# Altium PCB ECG_V1.0_ZM_20211208.PcbDoc (part 1 of 2) (continued)
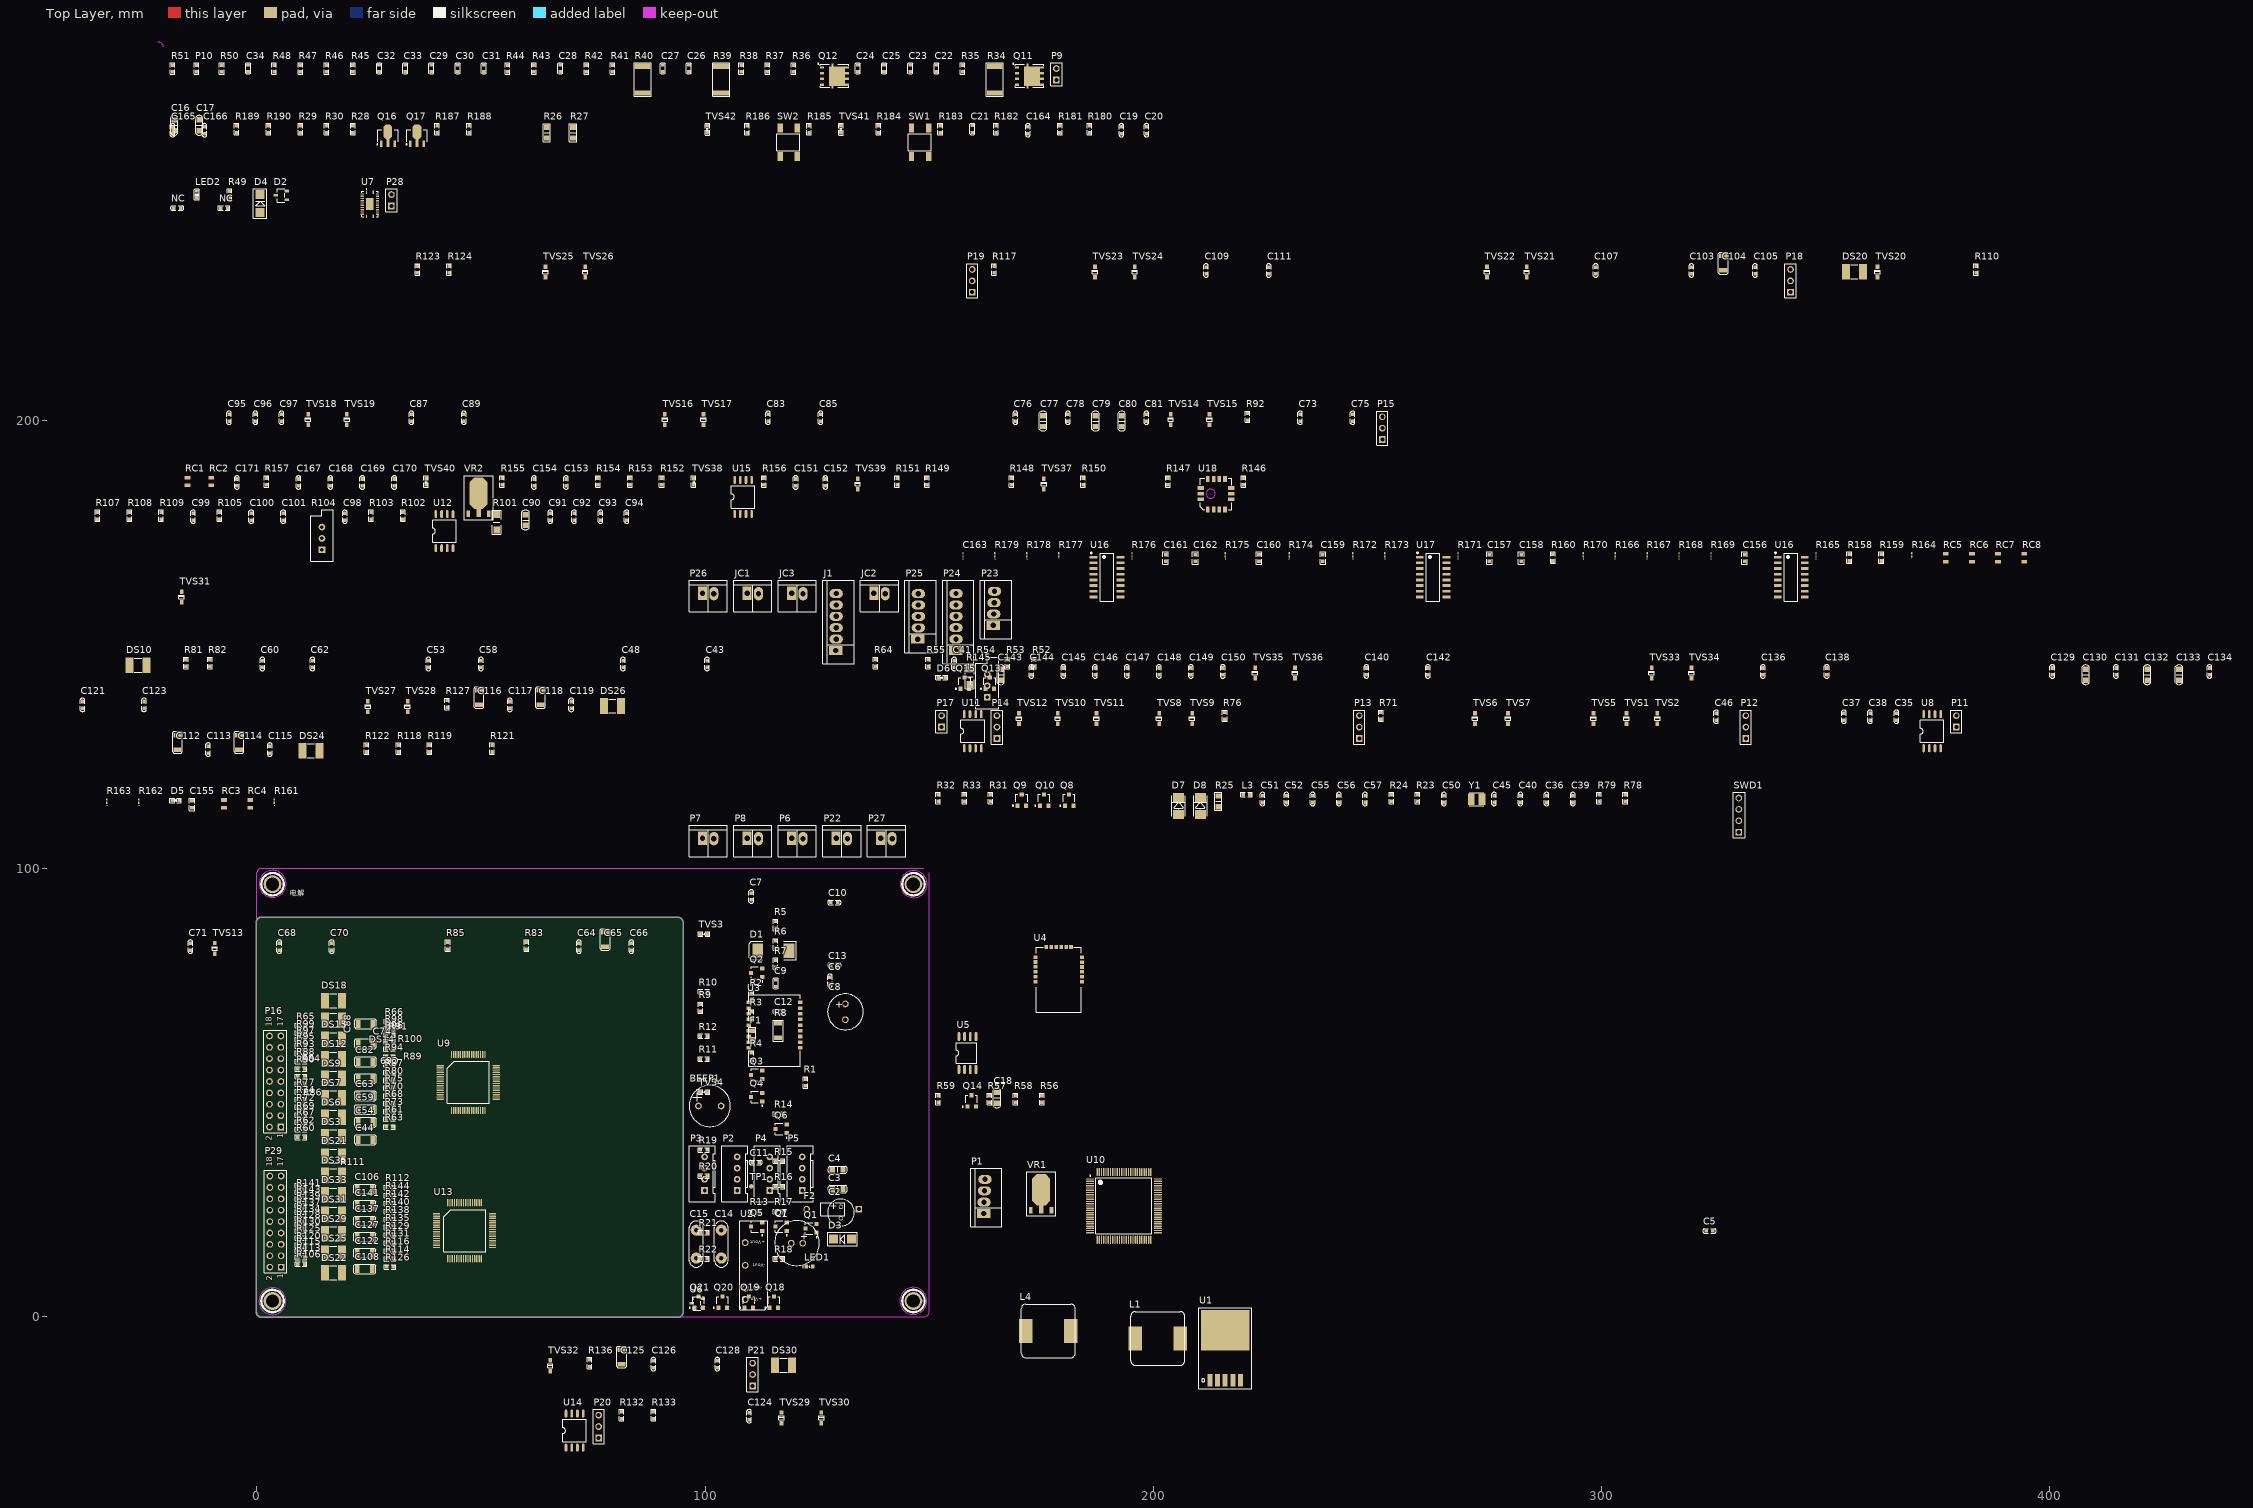
[diagram p0: Top Layer view]
## Components (designator, comment, footprint, x,y, rotation, side; value= is the part's Value field where it differs from the comment) (continued)
DS13 "UN1812-90CSMD" SMD-1812 11.201,57.477 r0 bottom
DS14 "UN1812-90CSMD" SMD-1812 17.064,66.175 r0 top
DS15 "UN1812-90CSMD" SMD-1812 17.064,61.84 r0 top
DS16 "UN1812-90CSMD" SMD-1812 11.201,61.838 r0 bottom
DS17 "UN1812-90CSMD" SMD-1812 11.201,66.2 r0 bottom
DS18 "UN1812-90CSMD" SMD-1812 17.064,70.51 r0 top
DS19 "UN1812-90CSMD" SMD-1812 11.201,7.732 r0 bottom
DS20 "UN1812-90CSMD" SMD-1812 356.438,233.172 r0 top
DS21 "UN1812-90CSMD" SMD-1812 17.064,35.827 r0 top
DS22 "UN1812-90CSMD" SMD-1812 17.064,9.815 r0 top
DS23 "UN1812-90CSMD" SMD-1812 11.201,12.927 r0 bottom
DS24 "UN1812-90CSMD" SMD-1812 12.065,126.263 r0 top
DS25 "UN1812-90CSMD" SMD-1812 17.064,14.15 r0 top
DS26 "UN1812-90CSMD" SMD-1812 79.324,136.246 r0 top
DS27 "UN1812-90CSMD" SMD-1812 11.201,18.121 r0 bottom
DS28 "UN1812-90CSMD" SMD-1812 11.201,23.316 r0 bottom
DS29 "UN1812-90CSMD" SMD-1812 17.064,18.485 r0 top
DS30 "UN1812-90CSMD" SMD-1812 117.5,-10.846 r0 top
DS31 "UN1812-90CSMD" SMD-1812 17.064,22.821 r0 top
DS32 "UN1812-90CSMD" SMD-1812 11.201,28.511 r0 bottom
DS33 "UN1812-90CSMD" SMD-1812 17.064,27.156 r0 top
DS34 "UN1812-90CSMD" SMD-1812 11.201,33.706 r0 bottom
DS35 "UN1812-90CSMD" SMD-1812 17.064,31.492 r0 top
F1 "SMD0805P200" 0805r 110.566,61.849 r90 top
F2 "SMD0805P200" PIN-W2/E2.8 128.499,23.978 r180 top
J1 "signal" 6X2.54MMZ 129.159,148.641 r90 top
JC1 "CON2" 2X2.54MMZ 109.398,161.417 r0 top
JC2 "CON2" 2X2.54MMZ 137.668,161.417 r0 top
JC3 "CON2" 2X2.54MMZ 119.329,161.417 r0 top
L1 "CDRH127-33uH" CDRH-127 201.016,-4.851 r0 top
L3 "MPZ1608D101BTA00" SMD-0603 220.828,116.484 r0 top
L4 "3.3uH" CDRH-127 176.606,-3.175 r0 top
LED1 "蓝光 3528" SMD-0603D 123.342,11.176 r180 top
LED2 "24V" 0603LED -13.411,249.657 r90 top
NC "4.7K" SMD-0603 -7.29,247.345 r0 top
NC "104 50V" SMD-0603C -17.78,247.345 r0 top
P1 "XH2.54-4P直插" 4X2.54MMZ 162.155,23.012 r90 top
P2 "1*4P" XH2.54-4A 107.163,31.902 r90 top
P3 "1*4P" XH2.54-4A 99.898,31.902 r90 top
P4 "1*4P" XH2.54-4A 114.427,31.902 r90 top
P5 "1*4P" XH2.54-4A 121.691,31.902 r90 top
P6 "Header 2" 2X2.54MMZ 119.329,106.756 r0 top
P7 "Header 2" 2X2.54MMZ 99.441,106.756 r0 top
P8 "Header 2" 2X2.54MMZ 109.398,106.756 r0 top
P9 "Header 2" HDR1X2 178.384,275.946 r90 top
P10 "NTC0603-103J4000NT" SMD-0603 -13.437,278.486 r90 top
P11 "NC" HDR1X2 379.171,131.547 r90 top
P12 "NC" HDR1X3 332.207,129.007 r90 top
P13 "NC" HDR1X3 245.974,129.007 r90 top
P14 "NC" HDR1X3 165.125,129.007 r90 top
P15 "NC" HDR1X3 251.104,195.707 r90 top
P16 "Header 9X2" HDR2X9 5.359,42.316 r90 top
P17 "NC" HDR1X2 152.781,131.547 r90 top
P18 "NC" HDR1X3 342.189,228.575 r90 top
P19 "NC" HDR1X3 159.614,228.575 r90 top
P20 "NC" HDR1X3 76.276,-27.051 r90 top
P21 "NC" HDR1X3 110.617,-15.443 r90 top
P22 "VH2.54-2P" 2X2.54MMZ 129.261,106.756 r0 top
P23 "XH2.54-4P直插" 4X2.54MMZ 164.287,154.229 r90 top
P24 "XH2.54 6P 立贴" 6X2.54MMZ 155.905,148.641 r90 top
P25 "XH2.54 5P 立贴" 5X2.54MMZ 147.498,151.155 r90 top
P26 "Header 2" 2X2.54MMZ 99.441,161.417 r0 top
P27 "VH2.54-2P" 2X2.54MMZ 139.192,106.756 r0 top
P28 "Header 2" HDR1X2 30.023,247.828 r90 top
P29 "Header 9X2" HDR2X9 5.436,11.059 r90 top
Q1 "AO3401" SOT-23 123.647,19.685 r90 top
Q2 "AO3401" SOT-23 111.531,76.733 r90 top
Q3 "S8050" SOT-23 111.531,53.975 r90 top
Q4 "AO3401" SOT-23 111.531,48.997 r90 top
Q5 "S8050" SOT-23 111.531,20.117 r90 top
Q6 "AO3401" SOT-23 116.967,41.885 r90 top
Q7 "S8050" SOT-23 116.967,20.117 r90 top
Q8 "S8050" SOT-23 181.229,115.265 r0 top
Q9 "S8050" SOT-23 170.663,115.265 r0 top
Q10 "S8050" SOT-23 175.641,115.265 r0 top
Q11 "Si7998DP" "PowerPAK SO-8" 168.631,279.375 r0 top
Q12 "Si7135DP" "PowerPAK SO-8" 125.12,279.375 r0 top
Q13 "AO3400" SOT-23 163.525,141.351 r0 top
Q14 "LH8050QLT1G" SOT-23 159.461,48.133 r0 top
Q15 "AO3400" SOT-23 157.937,141.351 r0 top
Q16 "D882M" SOT-89-3 29.261,263.5 r0 top
Q17 "D882M" SOT-89-3 35.738,263.5 r0 top
Q18 "mmbta63l" SOT-23 115.367,3.251 r0 top
Q19 "mmbta63l" SOT-23 109.779,3.251 r0 top
Q20 "mmbta13L" SOT-23 103.937,3.251 r0 top
Q21 "mmbta13L" SOT-23 98.577,3.251 r0 top
R1 "1K" SMD-0603 122.428,52.273 r90 top
R2 "47K" SMD-0603 110.312,71.577 r90 top
R3 "1K" SMD-0603 110.312,67.259 r90 top
R4 "1K" SMD-0603 110.312,58.115 r90 top
R5 "10K" SMD-0603 115.748,87.427 r90 top
R6 "47K" SMD-0603 115.748,83.083 r90 top
R7 "1K" SMD-0603 115.748,78.765 r90 top
R8 "10M 5%" 1206r 116.307,62.205 r90 top
R9 "10R" SMD-0603 98.958,68.936 r90 top
R10 "100R" SMD-0603 99.72,72.517 r180 top
R11 "10R" SMD-0603 99.72,57.48 r180 top
R12 "100R" SMD-0603 99.72,62.586 r180 top
R13 "1K" SMD-0603 111.074,23.495 r180 top
R14 "10K" SMD-0603 116.51,45.263 r180 top
R15 "47K" SMD-0603 116.51,34.696 r180 top
R16 "1K" SMD-0603 116.51,29.083 r180 top
R17 "1K" SMD-0603 116.51,23.495 r180 top
R18 "10K" SMD-0603 116.51,12.929 r180 top
R19 "10R" SMD-0603 99.72,37.236 r180 top
R20 "10R" SMD-0603 99.72,31.394 r180 top
R21 "10R" SMD-0603 99.72,18.771 r180 top
R22 "10R" SMD-0603 99.72,12.929 r180 top
R23 "1K/0.1%" SMD-0603 258.978,115.722 r90 top
R24 "1K/0.1%" SMD-0603 253.136,115.722 r90 top
R25 "100R" SMD-0805 214.528,114.96 r90 top
R26 "100R" SMD-0805 64.719,264.185 r90 top
R27 "100R" SMD-0805 70.561,264.185 r90 top
R28 "1K" SMD-0603 21.412,264.947 r90 top
R29 "1K" SMD-0603 9.703,264.947 r90 top
R30 "1K" SMD-0603 15.57,264.947 r90 top
R31 "47K" SMD-0603 163.728,115.722 r90 top
R32 "47K" SMD-0603 152.019,115.722 r90 top
R33 "47K" SMD-0603 157.861,115.722 r90 top
R34 "10mR" 2512R 164.668,273.025 r90 top
R35 "2" SMD-0603 157.455,278.486 r90 top
R36 "4.02K" SMD-0603 119.761,278.486 r90 top
R37 "4.02K" SMD-0603 113.919,278.486 r90 top
R38 "100K" SMD-0603 108.077,278.486 r90 top
R39 "1K" 2512R 103.581,273.025 r90 top
R40 "10mR" 2512R 86.055,273.025 r90 top
R41 "22.1K" SMD-0603 79.35,278.486 r90 top
R42 "232K" SMD-0603 73.508,278.486 r90 top
R43 "1M" SMD-0603 61.824,278.486 r90 top
R44 "32.4K" SMD-0603 55.956,278.486 r90 top
R45 "10" SMD-0603 21.412,278.486 r90 top
R46 "100K" SMD-0603 15.57,278.486 r90 top
R47 "2.2K" SMD-0603 9.703,278.486 r90 top
R48 "299K/1%" SMD-0603 3.861,278.486 r90 top
R49 "1.5K" SMD-0603 -6.071,250.368 r90 top
R50 "6.8K" SMD-0603 -7.823,278.486 r90 top
R51 "60K/1%" SMD-0603 -18.771,278.486 r90 top
R52 "NC" SMD-0603 173.355,145.847 r90 top
R53 "NC" SMD-0603 167.513,145.847 r90 top
R54 "NC" VR-05 162.992,140.767 r90 top
R55 "1M" SMD-0603 149.758,145.847 r90 top
R56 "51R" SMD-0603 175.158,48.59 r90 top
R57 "4.7K" SMD-0603 163.449,48.59 r90 top
R58 "1K" SMD-0603 169.316,48.59 r90 top
R59 "47K" SMD-0603 152.019,48.59 r90 top
R60 "300K" SMD-0603 9.888,40.03 r0 top
R61 "22.1K" SMD-0603 29.616,44.077 r0 top
R62 "300K" SMD-0603 9.888,41.724 r0 top
R63 "22.1K" SMD-0603 29.616,42.342 r0 top
R64 "100K" SMD-0603 138.049,145.847 r90 top
R65 "300K" SMD-0603 9.888,64.922 r0 top
R66 "22.1K" SMD-0603 29.693,65.862 r0 top
R67 "300K" SMD-0603 9.888,43.417 r0 top
R68 "22.1K" SMD-0603 29.616,47.549 r0 top
R69 "300K" SMD-0603 9.888,44.958 r0 top
R70 "22.1K" SMD-0603 29.616,49.284 r0 top
R71 "NC" SMD-0603 250.8,134.087 r90 top
R72 "300K" SMD-0603 9.888,46.736 r0 top
R73 "22.1K" SMD-0603 29.616,45.813 r0 top
R74 "300K" SMD-0603 9.888,48.497 r0 top
R75 "22.1K" SMD-0603 29.616,51.02 r0 top
R76 "NC" SMD-0603 215.951,134.087 r90 top
R77 "300K" SMD-0603 9.888,50.19 r0 top
R78 "10K" SMD-0603 305.308,115.722 r90 top
R79 "100K" SMD-0603 299.466,115.722 r90 top
R80 "22.1K" SMD-0603 29.616,52.756 r0 top
R81 "300K" SMD-0603 -15.824,145.847 r90 top
R82 "22.1K" SMD-0603 -10.465,145.847 r90 top
R83 "10K" SMD-0603 60.147,82.779 r90 top
R84 "300K" SMD-0603 9.888,53.577 r0 top
R85 "22.1K" SMD-0603 42.596,82.779 r90 top
R86 "300K" SMD-0603 9.888,51.884 r0 top
R87 "22.1K" SMD-0603 29.616,54.491 r0 top
R88 "300K" SMD-0603 9.888,56.964 r0 top
R89 "22.1K" SMD-0603 29.616,56.227 r0 top
R90 "300K" SMD-0603 9.888,55.27 r0 top
R91 "22.1K" SMD-0603 29.616,59.698 r0 top
R92 "NC" SMD-0603 221.082,200.787 r90 top
R93 "300K" SMD-0603 9.888,58.776 r0 top
R94 "22.1K" SMD-0603 29.616,57.963 r0 top
R95 "300K" SMD-0603 9.888,60.452 r0 top
R96 "22.1K" SMD-0603 29.642,62.865 r0 top
R97 "300K" SMD-0603 9.888,61.798 r0 top
R98 "22.1K" SMD-0603 29.667,64.338 r0 top
R99 "300K" SMD-0603 9.888,63.246 r0 top
R100 "22.1K" SMD-0603 29.616,61.434 r0 top
R101 "0/NC" SMD-1206 53.518,177.267 r90 top
R102 "NC" SMD-0603 32.588,178.714 r90 top
R103 "NC" SMD-0603 25.476,178.714 r90 top
R104 "NC" VR-05 14.529,173.634 r90 top
R105 "1M" SMD-0603 -8.357,178.714 r90 top
R106 "300K" SMD-0603 9.888,11.745 r0 top
R107 "22.1K" SMD-0603 -35.56,178.714 r90 top
R108 "300K" SMD-0603 -28.448,178.714 r90 top
R109 "22.1K" SMD-0603 -21.336,178.714 r90 top
R110 "100K" SMD-0603 383.616,233.655 r90 top
R111 "300K" SMD-0603 9.888,29.296 r0 top
R112 "22.1K" SMD-0603 29.718,28.814 r0 top
R113 "300K" SMD-0603 9.888,13.218 r0 top
R114 "22.1K" SMD-0603 29.718,12.88 r0 top
R115 "300K" SMD-0603 9.888,14.666 r0 top
R116 "22.1K" SMD-0603 29.718,14.651 r0 top
R117 "NC" SMD-0603 164.465,233.655 r90 top
R118 "300K" SMD-0603 31.623,126.746 r90 top
R119 "22.1K" SMD-0603 38.481,126.746 r90 top
R120 "300K" SMD-0603 9.888,15.936 r0 top
R121 "22.1K" SMD-0603 52.476,126.746 r90 top
R122 "NC" SMD-0603 24.486,126.746 r90 top
R123 "300K" SMD-0603 35.814,233.655 r90 top
R124 "22.1K" SMD-0603 42.926,233.655 r90 top
R125 "300K" SMD-0603 9.888,17.562 r0 top
R126 "22.1K" SMD-0603 29.718,11.11 r0 top
R127 "10K" SMD-0603 42.443,136.728 r90 top
R128 "300K" SMD-0603 9.888,20.559 r0 top
R129 "22.1K" SMD-0603 29.718,18.191 r0 top
R130 "300K" SMD-0603 9.888,19.111 r0 top
R131 "22.1K" SMD-0603 29.718,16.421 r0 top
R132 "300K" SMD-0603 81.356,-21.971 r90 top
R133 "22.1K" SMD-0603 88.494,-21.971 r90 top
R134 "300K" SMD-0603 9.888,21.93 r0 top
R135 "22.1K" SMD-0603 29.718,19.962 r0 top
R136 "NC" SMD-0603 74.244,-10.363 r90 top
R137 "300K" SMD-0603 9.888,23.378 r0 top
R138 "22.1K" SMD-0603 29.718,21.732 r0 top
R139 "300K" SMD-0603 9.888,24.826 r0 top
R140 "22.1K" SMD-0603 29.718,23.503 r0 top
R141 "300K" SMD-0603 9.888,27.772 r0 top
R142 "22.1K" SMD-0603 29.718,25.273 r0 top
R143 "300K" SMD-0603 9.888,26.299 r0 top
R144 "22.1K" SMD-0603 29.718,27.043 r0 top
R145 "0/NC" SMD-1206 159.08,142.748 r90 top
R146 "10K" SMD-0603 220.091,186.36 r90 top
R147 "20R" SMD-0603 203.276,186.36 r90 top
R148 "20R" SMD-0603 168.377,186.36 r90 top
R149 "10K" SMD-0603 149.479,186.36 r90 top
R150 "10K" SMD-0603 184.379,186.36 r90 top
R151 "399K" SMD-0603 142.875,186.36 r90 top
R152 "100K" SMD-0603 90.348,186.36 r90 top
R153 "100K" SMD-0603 83.236,186.36 r90 top
R154 "100K" SMD-0603 76.098,186.36 r90 top
R155 "399K" SMD-0603 54.737,186.36 r90 top
R156 "10K" SMD-0603 113.132,186.36 r90 top
R157 "10K" SMD-0603 2.159,186.36 r90 top
R158 "300K/0.1%" SMD-0603 355.295,169.367 r90 top
R159 "300K/0.1%" SMD-0603 362.433,169.367 r90 top
R160 "300K/0.1%" SMD-0603 289.154,169.367 r90 top
R161 "0R" 0603 3.912,115.037 r90 top
R162 "0R" 0603 -26.314,115.037 r90 top
R163 "1K" 0603 -33.452,115.037 r90 top
R164 "1K" 0603 369.24,169.977 r90 top
R165 "220K" 0603 347.878,169.977 r90 top
R166 "10K" 0603 303.073,169.977 r90 top
R167 "100K" 0603 310.185,169.977 r90 top
R168 "10K" 0603 317.322,169.977 r90 top
R169 "10K" 0603 324.434,169.977 r90 top
R170 "10K" 0603 295.961,169.977 r90 top
R171 "100K" 0603 267.995,169.977 r90 top
R172 "10K" 0603 244.551,169.977 r90 top
R173 "5K1" 0603 251.663,169.977 r90 top
R174 "5K1" 0603 230.327,169.977 r90 top
R175 "1K" 0603 216.078,169.977 r90 top
R176 "5K1" 0603 195.25,169.977 r90 top
R177 "220K" 0603 178.918,169.977 r90 top
R178 "10K" 0603 171.806,169.977 r90 top
R179 "100K" 0603 164.668,169.977 r90 top
R180 "100K/1%" SMD-0603 185.776,264.947 r90 top
R181 "60K/1%" SMD-0603 179.172,264.947 r90 top
R182 "30K/1%" SMD-0603 164.922,264.947 r90 top
R183 "1K" SMD-0603 152.476,264.947 r90 top
R184 "1K" SMD-0603 138.684,264.947 r90 top
R185 "1K" SMD-0603 123.19,264.947 r90 top
R186 "1K" SMD-0603 109.398,264.947 r90 top
R187 "100R" SMD-0603 40.208,264.947 r90 top
R188 "100R" SMD-0603 47.346,264.947 r90 top
R189 "10K" SMD-0603 -4.521,264.947 r90 top
R190 "10K" SMD-0603 2.591,264.947 r90 top
RC1 "1K" 0805 -15.494,185.369 r90 top
RC2 "1K" 0805 -10.16,185.369 r90 top
RC3 "1K" 0805 -7.315,113.436 r90 top
RC4 "1K" 0805 -1.473,113.436 r90 top
RC5 "1K" 0805 376.809,168.377 r90 top
RC6 "220" 0805 382.651,168.377 r90 top
RC7 "220" 0805 388.493,168.377 r90 top
RC8 "1K" 0805 394.335,168.377 r90 top
SW1 "SW-BP" KEY_4X4 147.98,262.052 r90 top
SW2 "SW-BP" KEY_4X4 118.694,262.052 r90 top
SWD1 "SIP-4 (NC)" SIP-4 330.657,111.912 r90 top
TP1 "TPS" tpd 110.312,29.083 r180 top
TVS1 "PSD05C-LF-T7" SOD-323 305.613,133.502 r90 top
TVS2 "PSD05C-LF-T7" SOD-323 312.471,133.502 r90 top
TVS3 "ESD5Z5.0CT1G" SOD-523 99.746,85.369 r180 top
TVS4 "ESD5Z5.0CT1G" SOD-523 99.746,50.114 r180 top
TVS5 "PSD05C-LF-T7" SOD-323 298.247,133.502 r90 top
TVS6 "PSD05C-LF-T7" SOD-323 271.805,133.502 r90 top
TVS7 "PSD05C-LF-T7" SOD-323 279.171,133.502 r90 top
TVS8 "PSD05C-LF-T7" SOD-323 201.32,133.502 r90 top
TVS9 "PSD05C-LF-T7" SOD-323 208.686,133.502 r90 top
TVS10 "PSD05C-LF-T7" SOD-323 178.689,133.502 r90 top
TVS11 "PSD05C-LF-T7" SOD-323 187.325,133.502 r90 top
TVS12 "PSD05C-LF-T7" SOD-323 170.053,133.502 r90 top
TVS13 "PSD05C-LF-T7" SOD-323 -9.398,82.194 r90 top
TVS14 "PSD05C-LF-T7" SOD-323 203.911,200.203 r90 top
TVS15 "PSD05C-LF-T7" SOD-323 212.547,200.203 r90 top
TVS16 "PSD05C-LF-T7" SOD-323 91.034,200.203 r90 top
TVS17 "PSD05C-LF-T7" SOD-323 99.67,200.203 r90 top
TVS18 "PSD05C-LF-T7" SOD-323 11.455,200.203 r90 top
TVS19 "PSD05C-LF-T7" SOD-323 20.091,200.203 r90 top
TVS20 "PSD05C-LF-T7" SOD-323 361.594,233.07 r90 top
TVS21 "PSD05C-LF-T7" SOD-323 283.337,233.07 r90 top
TVS22 "PSD05C-LF-T7" SOD-323 274.447,233.07 r90 top
TVS23 "PSD05C-LF-T7" SOD-323 186.995,233.07 r90 top
TVS24 "PSD05C-LF-T7" SOD-323 195.885,233.07 r90 top
TVS25 "PSD05C-LF-T7" SOD-323 64.389,233.07 r90 top
TVS26 "PSD05C-LF-T7" SOD-323 73.279,233.07 r90 top
TVS27 "PSD05C-LF-T7" SOD-323 24.765,136.144 r90 top
TVS28 "PSD05C-LF-T7" SOD-323 33.655,136.144 r90 top
TVS29 "PSD05C-LF-T7" SOD-323 117.069,-22.555 r90 top
TVS30 "PSD05C-LF-T7" SOD-323 125.959,-22.555 r90 top
TVS31 "PSD05C-LF-T7" SOD-323 -16.764,160.604 r90 top
TVS32 "PSD05C-LF-T7" SOD-323 65.456,-10.947 r90 top
TVS33 "PSD05C-LF-T7" SOD-323 311.201,143.612 r90 top
TVS34 "PSD05C-LF-T7" SOD-323 320.091,143.612 r90 top
TVS35 "PSD05C-LF-T7" SOD-323 222.733,143.612 r90 top
TVS36 "PSD05C-LF-T7" SOD-323 231.623,143.612 r90 top
TVS37 "TVS-S" SOD-323 175.59,185.776 r90 top
TVS38 "ESD5Z5.0CT1G" SOD-523 97.46,186.334 r90 top
TVS39 "TVS-S" SOD-323 134.061,185.776 r90 top
TVS40 "ESD5Z5.0CT1G" SOD-523 37.77,186.334 r90 top
TVS41 "ESD5Z5.0CT1G" SOD-523 130.302,264.922 r90 top
TVS42 "ESD5Z5.0CT1G" SOD-523 100.508,264.922 r90 top
U1 "LM2596S 5.0V" TO-263-5 216.052,-14.197 r0 top
U2 "B0505LS-1W" HKSXXXXB-1W 108.966,3.835 r90 top
U3 "E104-BT5032A" E104-BT503 121.285,55.829 r0 top
U4 "E104-BT52" E104-BT52 184.099,74.725 r0 top
U5 "W25Q128FVSIG" SO-8W 156.642,55.143 r90 top
U6 "REF3033AIDBZR" SOT23-3 99.492,1.981 r0 top
U7 "bq24171" bq24171 25.222,248.234 r0 top
U8 "OPA2376AID/NC" SOIC-8 373.786,130.632 r90 top
U9 "ADS1299IPAG" LQFP-64 40.922,56.025 r0 top
U10 "GD32F405VGTx" STM-LQFP100_N 193.472,24.714 r0 top
U11 "OPA2376AID/NC" SOIC-8 159.741,130.632 r90 top
U12 "OPA2376AID/NC" SOIC-8 41.859,175.26 r90 top
U13 "ADS1299IPAG" LQFP-64 40.107,22.94 r0 top
U14 "OPA2376AID/NC" SOIC-8 70.891,-25.425 r90 top
U15 "OPA2376AID" SOIC-8 108.509,182.905 r90 top
U16 "LM2902DR" SO-14Z 186.69,169.469 r0 top
U16 "LM2902DR" SO-14Z 339.319,169.469 r0 top
U17 "LM2902DR" SO-14Z 259.436,169.469 r0 top
U18 "MMR901XA" MMR901XA 214.3,183.617 r0 top
VR1 "LM1117 3.3V" SOT223 172.706,23.776 r0 top
VR2 "LM1117 3.3V" SOT223 47.168,179.121 r0 top
Y1 "8MHz" XTAL-3225-2 272.136,115.443 r0 top

## Footprints (in the part's own frame and the unit in brackets; to place one, negate y for a bottom-side part, rotate by r counter-clockwise, add the part's x,y. Pads: shape width x height; smd on the part's side, far side on the other; paste and mask are expansions set on the pad)
2X2.54MMZ [mm]
  rect 2x3 hole 1.2: 1(0,0)
  oval 2x3 hole 1.2: 2(2.54,-0.1)
  silkscreen extent -3,-4.1 5.54,2.9
4X2.54MMZ [mm]
  rect 2x3 hole 1.2: 1(0,0)
  oval 2x3 hole 1.2: 2(2.54,-0.1) 3(5.08,-0.2) 4(7.62,-0.3)
  silkscreen extent -3,-4.1 10.08,2.9
5X2.54MMZ [mm]
  rect 2x3 hole 1.2: 1(0,0)
  oval 2x3 hole 1.2: 2(2.54,-0.1) 3(5.08,-0.1) 4(7.62,-0.1) 5(10.16,-0.1)
  silkscreen extent -3,-4.1 13.16,2.9
6*8 [mm]
  round 1 hole 0.6: 1(1.27,0) 2(-1.27,0)
  silkscreen extent -3,-3 3,3
6X2.54MMZ [mm]
  rect 2x3 hole 1.2: 1(0,0)
  oval 2x3 hole 1.2: 2(2.54,-0.1) 3(5.08,-0.1) 4(7.62,-0.1) 5(10.16,-0.1) 6(12.7,-0.1)
  silkscreen extent -3,-4.1 15.68,2.9
8*12 [mm]
  round 1.5 hole 1: 1(1.75,0) 2(-1.75,0)
  silkscreen extent -4,-4 4,4
10*16 [mm]
  round 1.5 hole 1: 1(1.27,0) 2(-1.27,0)
  silkscreen extent -5,-5 5,5
0603 [mm] "Chip Inductor, Body 0.6x0.3mm, IPC High Density"
  rect 0.5x0.3 smd: 1(-0.35,0) 2(0.35,0)
  silkscreen extent -0.9,-0.05 -0.9,0.05, body extent -0.33,-0.18 0.33,0.18, height 0.55
0603C [mm]
  rect 0.7x0.85 smd: 1(0,0) 2(1.5,0)
  silkscreen extent -0.5,-0.55 2,0.55
0603LED [mm]
  rect 0.7x0.85 smd: 1(0,0) 2(1.5,0)
  silkscreen extent -0.5,-0.55 2,0.55
0805 [mm]
  rect 0.8x1.3 smd: 1(0.1,0) 2(1.85,0)
  body extent -0.1,-0.65 2.05,0.65, height 1.15
0805r [mm]
  rect 1x1.3 smd: 1(0,0) 2(2,0)
  silkscreen extent -0.7,-0.8 2.7,0.8
1206c [mm]
  rect 1x1.8 smd: 1(0,0) 2(3.25,0)
  silkscreen extent -0.8,-1.1 4.05,1.1
1206r [mm]
  rect 1x1.8 smd: 1(0,0) 2(3.25,0)
  silkscreen extent -0.7,-1.1 3.95,1.1
2512R [mm]
  rect 1.2x3.5 smd: 1(0,0) 2(6,0)
  silkscreen extent -0.75,-1.9 6.75,1.9
BEEP-9.5X5.5 [mm]
  round 1.5 hole 0.9: 1(-2.54,0) 2(2.54,0)
  silkscreen extent -4.6,-4.6 4.6,4.6
bq24171 [mm]
  rect 0.28x0.75 smd: 1(-0.75,2.678) 12(-0.75,-2.729) 13(0.75,-2.729) 24(0.75,2.678)
  rect 0.75x0.28 smd: 2(-1.702,2.25) 3(-1.704,1.75) 4(-1.704,1.25) 5(-1.704,0.75) 6(-1.704,0.25) 7(-1.704,-0.25) 8(-1.704,-0.75) 9(-1.704,-1.25) 10(-1.704,-1.75) 11(-1.704,-2.25) 14(1.704,-2.25) 15(1.704,-1.75) 15(1.704,-1.25) 16(1.704,-1.25) 17(1.704,-0.75) 18(1.704,-0.25) 19(1.704,0.25) 20(1.704,0.75) 21(1.704,1.25) 22(1.704,1.75) 23(1.704,2.25)
  rect 1.7x2.7 smd: 25(0,0)
  silkscreen extent -1.83,-2.82 1.83,3.38
C0603 [mil]
  rect 30x32 smd mask+2.5: 1(-30,0) 2(30,0)
  silkscreen extent -55,-25 55,25
CDRH-127 [mm]
  rect 3x5.4 smd: 1(-5,0) 2(5,0)
  silkscreen extent -6,-6 6,6, body extent -6,-6 6,6, height 8.2
CY1 [mm]
  round 2.5 hole 1: 1(0,0) 2(6.223,0)
  silkscreen extent -2.03,-1.52 8.25,1.52
DO-214-AC [mm]
  rect 2x2.5 smd: 1(-1.915,0) 2(1.915,0)
  silkscreen extent -2.3,-1.52 2.3,1.5, body extent -2.3,-1.35 2.3,1.35, height 2.4
E104-BT52 [mm]
  rect 0.9x0.8 smd: 1(0,0) 2(0,1.1) 3(0,2.2) 4(0,3.3) 5(0,4.4) 6(0,5.5) 13(-10.414,5.512) 14(-10.414,4.412) 15(-10.414,3.312) 16(-10.414,2.212) 17(-10.414,1.112) 18(-10.414,0.012)
  rect 0.8x0.9 smd: 7(-2.438,7.747) 8(-3.538,7.747) 9(-4.638,7.747) 10(-5.738,7.747) 11(-6.838,7.747) 12(-7.938,7.747)
  silkscreen extent -10.19,-6.75 -0.19,7.75
E104-BT503 [mm]
  rect 1x0.8 smd: 1(0,4.14) 2(0,5.41) 3(0,6.68) 4(0,7.95) 5(0,9.22) 6(0,10.49) 7(0,11.76) 8(0,13.03) 9(0,14.3) 16(-11.5,14.3) 17(-11.5,13.03) 18(-11.5,11.76) 19(-11.5,10.49) 20(-11.5,9.22) 21(-11.5,7.95) 22(-11.5,6.68) 23(-11.5,5.41) 24(-11.5,4.14)
  silkscreen extent -11.5,0 0.01,16
HDR1X2 [mm] "Connector; Header; 2 Position"
  rect 1.5x1.5 hole 0.9: 1(0,0)
  round 1.5 hole 0.9: 2(2.54,0)
  silkscreen extent -1.27,-1.27 3.81,1.27
HDR1X3 [mm] "Connector; Header; 3 Position"
  rect 1.5x1.5 hole 0.9: 1(0,0)
  round 1.5 hole 0.9: 2(2.54,0) 3(5.08,0)
  silkscreen extent -1.27,-1.27 6.35,1.27
HDR2X9 [mm] "Connector; Header; 9x2 Position"
  rect 1.5x1.5 hole 0.9: 1(0,0)
  round 1.5 hole 0.9: 2(0,2.54) 3(2.54,0) 4(2.54,2.54) 5(5.08,0) 6(5.08,2.54) 7(7.62,0) 8(7.62,2.54) 9(10.16,0) 10(10.16,2.54) 11(12.7,0) 12(12.7,2.54) 13(15.24,0) 14(15.24,2.54) 15(17.78,0) 16(17.78,2.54) 17(20.32,0) 18(20.32,2.54)
  silkscreen extent -1.27,-1.27 21.59,3.81
HKSXXXXB-1W [mil]
  round 60 hole 40: 1(0,0) 2(100,0) 4(300,0) 6(500,0)
  silkscreen extent -90,-200 690,50
KEY_4X4 [mm] "KEY_3X6"
  rect 2x1.2 smd: 1(-3.15,1.9) 1(3.15,1.9) 2(-3.15,-1.9) 2(3.15,-1.9)
  silkscreen extent -1.88,-2.46 1.93,2.64
LED0603 [mil]
  rect 31.5x30 smd: 1(-30,0) 2(30,0)
  silkscreen extent -51,-20 51,20, body extent -31,-16 32,16, height 24
LQFP-64 [mm]
  rect 1.6x0.3 smd: 1(0,0)
  oval 1.6x0.3 smd: 2(0,-0.5) 3(0,-1) 4(0,-1.5) 5(0,-2) 6(0,-2.5) 7(0,-3) 8(0,-3.5) 9(0,-4) 10(0,-4.5) 11(0,-5) 12(0,-5.5) 13(0,-6) 14(0,-6.5) 15(0,-7) 16(0,-7.5) 33(12.5,-7.5) 34(12.5,-7) 35(12.5,-6.5) 36(12.5,-6) 37(12.5,-5.5) 38(12.5,-5) 39(12.5,-4.5) 40(12.5,-4) 41(12.5,-3.5) 42(12.5,-3) 43(12.5,-2.5) 44(12.5,-2) 45(12.5,-1.5) 46(12.5,-1) 47(12.5,-0.5) 48(12.5,0)
  oval 0.3x1.6 smd: 17(2.5,-10) 18(3,-10) 19(3.5,-10) 20(4,-10) 21(4.5,-10) 22(5,-10) 23(5.5,-10) 24(6,-10) 25(6.5,-10) 26(7,-10) 27(7.5,-10) 28(8,-10) 29(8.5,-10) 30(9,-10) 31(9.5,-10) 32(10,-10) 49(10,2.5) 50(9.5,2.5) 51(9,2.5) 52(8.5,2.5) 53(8,2.5) 54(7.5,2.5) 55(7,2.5) 56(6.5,2.5) 57(6,2.5) 58(5.5,2.5) 59(5,2.5) 60(4.5,2.5) 61(4,2.5) 62(3.5,2.5) 63(3,2.5) 64(2.5,2.5)
  silkscreen extent 1.59,-8.41 10.91,0.91
MMR901XA [mm]
  rect 0.8x1.4 smd: 1(-2.105,-3.5) 2(-0.835,-3.5) 3(0.435,-3.5) 4(1.705,-3.5) 8(1.705,3.3) 9(0.435,3.3) 10(-0.835,3.3) 11(-2.105,3.3)
  rect 1.4x0.8 smd: 5(3.1,-1.27) 6(3.1,0) 7(3.1,1.27) 12(-3.7,1.27) 13(-3.7,0) 14(-3.7,-1.27)
  Keep-Out Layer circle w0.1: c-1.5,0 r1
  silkscreen extent -3.81,-3.56 3.17,3.43
PIN-W2/E2.8 [mm] "Thru-Hole; 2 Leads"
  rect 1.5x1.5 hole 0.9: 1(-5.825,0)
  round 1.5 hole 0.9: 2(5.825,0)
  silkscreen extent -2.65,-1.4 2.65,1.4
"PowerPAK SO-8" [mm]
  rect 0.9x0.54 smd: 1(0.95,-0.67) 2(0.95,-1.94) 3(0.95,-3.21) 4(0.95,-4.48) 5(6.548,-4.48) 6(6.548,-3.21) 7(6.548,-1.94) 8(6.548,-0.67)
  rect 0.5x1.6 smd: 5(3.3,-4.575) 8(3.3,-0.575)
  rect 3.66x2.5 smd: 5(4.325,-3.495)
  rect 3.66x2 smd: 8(4.325,-1.401)
  silkscreen extent 0.03,-5.12 6.93,0.33
SIP-4 [mm]
  rect 1.5x1.5 hole 1: 1(-3.81,0)
  round 1.5 hole 1: 2(-1.27,0) 3(1.27,0) 4(3.81,0)
  silkscreen extent -5.08,-1.27 5.08,1.27
SMA [mm]
  rect 2x2 smd: 1(0,0) 2(4,0)
  silkscreen extent -1.3,-1.5 5.3,1.5
SMC [mm] "DO-214-AB/SMC; 2 C-Bend Leads; Body 7.9 x 5.9 mm, inc. leads (LxW)"
  rect 2.4x3.3 smd: 1(-3.475,0) 2(3.475,0)
  silkscreen extent -5.07,-2.05 5.43,2.05
SMD-0603 [mil]
  rect 31.5x30 smd: 1(-30,0) 2(30,0)
  silkscreen extent -50,-20 50,20, body extent -31,-16 32,16, height 18
SMD-0603C [mil]
  rect 31.5x30 smd: 1(-30,0) 2(30,0)
  silkscreen extent -59,-20 59,20, body extent -32,-16 32,16, height 31
SMD-0603D [mm]
  rect 0.8x0.9 smd: 1(-0.7,-0.012) 2(0.73,-0.012)
  silkscreen extent -0.08,-0.41 1.4,0.39, body extent -0.8,-0.39 0.8,0.41, height 0.6
SMD-0805 [mm]
  rect 1.2x1.27 smd: 1(-1.2,0) 2(1.2,0)
  silkscreen extent -2,-0.8 2,0.8, body extent -1,-0.63 1,0.63, height 0.55
SMD-0805C [mm]
  rect 1.2x1.27 smd: 1(-1.2,0) 2(1.2,0)
  silkscreen extent -2.2,-0.8 2.2,0.8, body extent -1.42,-0.67 1.58,0.73, height 0.93
SMD-1206 [mil]
  rect 60x60 smd: 1(-68,0) 2(67,0)
  silkscreen extent -106,-38 106,39, body extent -63,-31 63,32, height 24
SMD-1812 [mm]
  rect 1.8x3.5 smd: 1(-1.9,0) 2(1.9,0)
  silkscreen extent -0.8,-1.55 0.8,1.55, body extent -2.4,-1.7 2.4,1.7, height 1.4
SO-8W [mil]
  oval 80x24 smd: 1(0,0) 2(0,-50) 3(0,-100) 4(0,-150) 5(290,-150) 6(290,-100) 7(290,-50) 8(290,0)
  silkscreen extent 55,-155 235,25
SO-14Z [mil]
  rect 68x24 smd: 1(0,0) 2(0,-50) 3(0,-100) 4(0,-150) 5(0,-200) 6(0,-250) 7(0,-300) 8(0,-350) 9(237.11,-350) 10(237.11,-300) 11(237.11,-250) 12(237.11,-200) 13(237.11,-150) 14(237.11,-100) 15(237.11,-50) 16(237.11,0)
  silkscreen extent -19,-387 178,38
SOD-323 [mm]
  rect 1x0.83 smd: 1(-1.18,0) 2(1.18,0)
  silkscreen extent -0.4,-0.6 0.4,0.6, body extent -1.4,-0.68 1.4,0.67, height 0.75
SOD-523 [mil]
  rect 31.5x30 smd: 1(-30,0) 2(30,0)
  silkscreen extent -51,-20 51,20, body extent -31,-16 32,16, height 26
SOIC-8 [mm]
  oval 1.8x0.6 smd: 1(-3.8,1.905) 2(-3.8,0.635) 3(-3.8,-0.635) 4(-3.8,-1.905) 5(3.8,-1.905) 6(3.8,-0.635) 7(3.8,0.635) 8(3.8,1.905)
  silkscreen extent -2.5,-2.64 2.5,2.64, body extent -4.2,-2.69 4.2,2.69, height 2.3
SOT23-3 [mm]
  rect 1x0.6 smd: 1(0,0) 2(0,2) 3(-2.5,1)
  silkscreen extent -2.1,-0.5 -0.5,2.5
SOT223 [mm]
  rect 0.8x1.4 smd: 1(0,0) 3(4.6,0)
  rect 1x1.854 smd: 2(2.3,0.227)
  oct 4x7 smd: 4(2.286,4.572)
  silkscreen extent -1.02,-1.3 5.59,8.51
SOT-23 [mm] "SOT-23; 3 Leads; Body 3.0 x 2.6 mm, inc. leads (LxW max)"
  rect 0.9x0.95 smd: 1(-0.95,-1.25) 2(0.95,-1.25) 3(0,1.25)
  silkscreen extent -2.07,-1.38 1.3,1.25
SOT-89-3 [mm]
  rect 0.6x1.4 smd: 1(-1.5,-1.8) 3(1.5,-1.8)
  rect 0.6x2 smd: 2(0,-1.524)
  oct 1.9x3.2 smd: 2(0,0.9)
  silkscreen extent -2.47,-2.07 2.3,1.3, body extent -2.25,-2.1 2.25,2.2, height 1.51
STM-LQFP100_N [mm] "Thin QFP, 100-Leads, Body 14x14mm, Pitch 0.5mm, IPC Medium Density"
  oval 1.8x0.3 smd: 1(-7.55,6) 2(-7.55,5.5) 3(-7.55,5) 4(-7.55,4.5) 5(-7.55,4) 6(-7.55,3.5) 7(-7.55,3) 8(-7.55,2.5) 9(-7.55,2) 10(-7.55,1.5) 11(-7.55,1) 12(-7.55,0.5) 13(-7.55,0) 14(-7.55,-0.5) 15(-7.55,-1) 16(-7.55,-1.5) 17(-7.55,-2) 18(-7.55,-2.5) 19(-7.55,-3) 20(-7.55,-3.5) 21(-7.55,-4) 22(-7.55,-4.5) 23(-7.55,-5) 24(-7.55,-5.5) 25(-7.55,-6) 51(7.55,-6) 52(7.55,-5.5) 53(7.55,-5) 54(7.55,-4.5) 55(7.55,-4) 56(7.55,-3.5) 57(7.55,-3) 58(7.55,-2.5) 59(7.55,-2) 60(7.55,-1.5) 61(7.55,-1) 62(7.55,-0.5) 63(7.55,0) 64(7.55,0.5) 65(7.55,1) 66(7.55,1.5) 67(7.55,2) 68(7.55,2.5) 69(7.55,3) 70(7.55,3.5) 71(7.55,4) 72(7.55,4.5) 73(7.55,5) 74(7.55,5.5) 75(7.55,6)
  oval 0.3x1.8 smd: 26(-6,-7.55) 27(-5.5,-7.55) 28(-5,-7.55) 29(-4.5,-7.55) 30(-4,-7.55) 31(-3.5,-7.55) 32(-3,-7.55) 33(-2.5,-7.55) 34(-2,-7.55) 35(-1.5,-7.55) 36(-1,-7.55) 37(-0.5,-7.55) 38(0,-7.55) 39(0.5,-7.55) 40(1,-7.55) 41(1.5,-7.55) 42(2,-7.55) 43(2.5,-7.55) 44(3,-7.55) 45(3.5,-7.55) 46(4,-7.55) 47(4.5,-7.55) 48(5,-7.55) 49(5.5,-7.55) 50(6,-7.55) 76(6,7.55) 77(5.5,7.55) 78(5,7.55) 79(4.5,7.55) 80(4,7.55) 81(3.5,7.55) 82(3,7.55) 83(2.5,7.55) 84(2,7.55) 85(1.5,7.55) 86(1,7.55) 87(0.5,7.55) 88(0,7.55) 89(-0.5,7.55) 90(-1,7.55) 91(-1.5,7.55) 92(-2,7.55) 93(-2.5,7.55) 94(-3,7.55) 95(-3.5,7.55) 96(-4,7.55) 97(-4.5,7.55) 98(-5,7.55) 99(-5.5,7.55) 100(-6,7.55)
  silkscreen extent -7.67,-6.25 6.25,6.82, body extent -7,-7 7,7, height 1.6
TO-263-5 [mm]
  rect 1.1x2.8 smd: 1(-3.4,0) 2(-1.7,0) 3(0,0) 4(1.7,0) 5(3.4,0)
  rect 10.8x9 smd: 6(0,11.2)
  silkscreen extent -5.9,-1.9 5.9,16.2, body extent -5.08,-0.32 5.08,14.32, height 4.57
tpd [mm]
  round 1 smd: 1(0,0)
VR-05 [mm]
  rect 1.5x1.5 hole 0.8: 1(-2.54,0)
  round 1.5 hole 0.8: 2(0,0) 3(2.54,0)
  silkscreen extent -5.08,-2.54 6.35,2.54
XH2.54-4A [mm]
  rect 1.5x1.5 hole 0.8: 1(-3.75,0)
  round 1.5 hole 0.8: 2(-1.25,0) 3(1.25,0) 4(3.75,0)
  silkscreen extent -6.25,-2.4 6.25,3.4, body extent -6.2,-2.35 6.2,3.4, height 7.1
XTAL-3225-2 [mm]
  rect 1.5x2.5 smd: 1(-1.2,0) 2(1.2,0)
  silkscreen extent -1.6,-1.5 1.6,1.5, body extent -1.6,-1.25 1.6,1.25, height 0.9